# Altium PCB PCA_0005_FULL_CB_REV_B.PcbDoc (part 2 of 3)
Units mm, origin at the board's own origin, x right, y up, seen from the top; angles counter-clockwise.
Board outline 86.1 x 38.5 mm, 4 copper layers (Top Layer, Signal Layer 2, Signal Layer 1, Bottom Layer), stack 1.643 mm thick; 107 components, 165 nets, 591 pads, 270 vias.
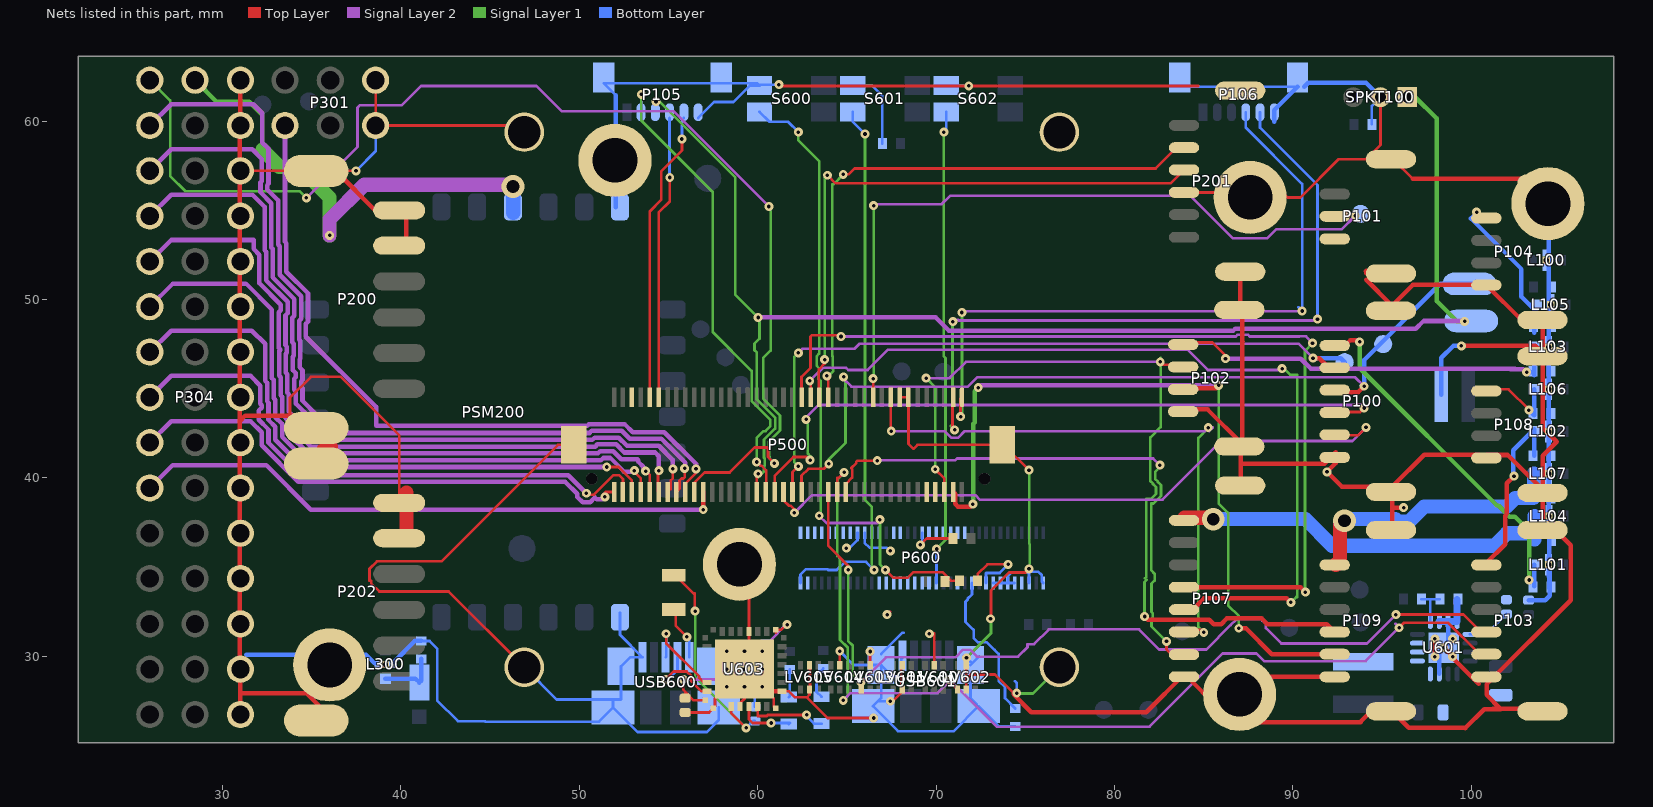
[diagram p4: the nets of this part, all layers, seen from the top]

## Via types
v1: diameter 0.5, hole 0.2, Top Layer to Bottom Layer, tented both sides, 255 vias
v2: diameter 1.27, hole 0.711, Top Layer to Bottom Layer, tented both sides, 14 vias
v3: diameter 0.5, hole 0.2, Top Layer to Bottom Layer, 1 vias

## Nets (pads, with @x,y where several pads share a name; then routed paths per layer and width w, separated by ;. In a path a pad name is that pad's centre, name@x,y a point inside that pad or via, vN(x,y) a via of type N, cw(c..) or ccw(c..) an arc to the next point about the centre after c; other vN are vias at no path point) (continued)
FMU-CH6-PROT: P304.6 P500.60 | length 33.6
  Top Layer w0.254: v1(56.947,38.227) P500.60@56.947,39.209
  Signal Layer 2 w0.254: P304.6@25.92,39.44 27.196,40.716 32.461,40.716 34.95,38.227 v1(56.947,38.227)
FMU-SWCLK: P106.5 P500.3 | length 41.5
  Top Layer w0.15: P500.3@70.968,44.526 70.922,44.481 70.922,42.819 v1(71.044,42.697)
  Signal Layer 2 w0.15: v1(70.942,48.768) 70.942,48.844 70.968,48.87 71.217,48.87 71.263,48.824 v1@91.306,48.824
  Signal Layer 1 w0.15: v1(70.942,48.768) 70.942,48.743 70.922,48.722 70.922,43.007 70.815,42.901 71.018,42.697 v1(71.044,42.697)
  Bottom Layer w0.15: P106.5@88.161,60.5 88.161,59.639 91.384,56.416 v1(91.384,48.901)
FMU-SWDIO: P106.4 P500.1 | length 39.1
  Top Layer w0.15: v1(71.374,43.434) 71.374,44.45 P500.1@71.45,44.526
  Signal Layer 2 w0.15: v1(71.45,49.276) 71.425,49.301 71.425,49.352 v1@90.514,49.352
  Signal Layer 1 w0.15: v1(71.374,43.434) 71.45,43.358 v1(71.45,49.276)
  Bottom Layer w0.15: P106.4@87.361,60.5 87.361,59.639 90.52,56.48 v1(90.52,49.359) 90.317,49.562
FW_RCVR: P600.69 S601.A1 | length 31.3
  Signal Layer 1 w0.15: v1(66.015,59.284) 66.015,38.765 66.39,38.389 66.39,34.981 v1(66.523,34.849)
  Bottom Layer w0.15: P600.69@62.396,34.11 62.396,34.583 62.687,34.874 63.928,34.874 63.961,34.841 64.428,34.841 64.888,35.301 66.071,35.301 v1(66.523,34.849) ; S601.A1@65.332,60.528 65.332,59.966 v1(66.015,59.284)
GND: "Nut 600.0" "Nut 601.0" "Nut 602.0" "Nut 603.0" "Nut 604.0" "Nut 605.0" BATT600.2 C600.P$2 C601.P$2 C602.P$2 C603.P$2 C604.P$2 C605.P$2 D100.A D101.A D102.A D103.A D104.A D105.A D106.A D107.A D108.A D301.A L100.GND L101.GND L102.GND L103.GND L104.GND L105.GND L106.GND L107.GND L300.GND LV600.2 LV601.2 LV601.5 LV602.2 LV602.5 LV603.2 LV604.2 LV605.2 LV605.5 M3_MOUNT901.1 M3_MOUNT902.1 M3_MOUNT903.1 M3_MOUNT904.1 P100.6 P100.GND P101.3 P101.GND P102.4 P102.GND P103.6 P103.GND P104.4 P104.GND P105.6 P105.GND P106.6 P106.GND P107.8 P107.GND P108.4 P108.GND P109.6 P109.GND P200.5 P200.6 P200.GND P201.4 P201.GND P202.5 P202.6 P202.GND P301.5 P301.6 P304.GND P500.13 P500.15 P500.GND P600.1 P600.5 P600.9 P600.11 P600.13 P600.15 PSM200.GND R603.P$1 R606.P$1 S600.B3 S602.B3 SPKT100.2 U601.6 U601.7 U601.8 U601.15 U601.16 U601.17 U603.4 U603.17 U603.20 U603.24 U603.26 U603.33 USB600.GND USB600.GND1 USB600.GND2 USB600.GND3 USB600.GND4 USB601.GND USB601.GND1 USB601.GND2 USB601.GND3 USB601.GND4 | length 504.7
  Top Layer w0.15: P304.GND@31,57.22 31.006,57.214 P200.GND@35.25,57.214 36.34,57.214 v3(37.478,57.214) ; 33.63,43.498 33.782,43.651 33.782,44.501 34.95,45.669 36.627,45.669 39.9,42.396 P202.6@39.9,38.604 ; P301.6@38.58,62.3 P301.5@38.58,59.76 46.539,59.76 M3_MOUNT901.1@46.914,59.385 ; M3_MOUNT904.1@46.914,29.388 42.672,33.63 38.786,33.63 38.329,34.087 38.329,34.231 38.237,34.231 38.237,34.91 38.653,35.326 42.26,35.326 48.793,41.859 P500.GND@49.697,41.859 ; C604.P$2@55.931,26.854 57.276,26.854 57.61,27.188 57.61,27.638 v1(58.258,28.286) ; 58.979,35.154 59.508,34.624 59.508,30.536 v1(59.258,30.286) ; U603.20@59.008,27.186 59.008,27.372 59.258,27.622 v1(59.258,28.286) ; v1(60.258,28.286) 60.508,28.036 60.906,27.638 60.906,27.188 U603.24@61.008,27.086 ; v1(61.189,62.052) 61.265,61.976 v1(71.831,61.976) 84.69,61.976 ; U603.26@61.358,28.036 61.764,28.036 62.1,27.7 62.752,27.7 ; LV605.2@62.9,29.5 62.936,29.464 62.936,28.186 LV605.5@62.9,28.15 62.9,27.848 62.752,27.7 ; LV604.2@64.6,29.5 v1(64.6,30.294) ; LV603.2@66.3,29.5 v1(66.3,30.271) ; v1(66.497,26.543) 63.909,26.543 62.752,27.7 ; v1(67.259,32.334) v1@67.417,32.492 ; v1(67.437,27.483) 67.593,27.483 68.1,27.989 LV601.5@68.1,28.15 68.052,28.198 68.052,29.452 LV601.2@68.1,29.5 ; P500.15@67.97,44.526 P500.13@68.453,44.526 68.453,41.91 68.732,41.631 68.961,41.859 P500.GND@73.711,41.859 73.787,41.859 v1(75.209,40.437) ; LV600.2@69.9,29.5 69.9,31.293 ; LV602.5@71.7,28.15 71.7,28.727 ; v1(71.704,29.921) 71.704,29.504 LV602.2@71.7,29.5 71.7,28.727 ; v1@73.076,32.156 73.076,33.68 74.097,34.702 75.037,34.702 75.209,34.874 v1(75.209,34.9) ; v1@74.346,27.94 73.301,28.985 71.957,28.985 71.7,28.727 ; P201.4@83.9,56.007 89.425,56.007 89.705,55.728 90.428,55.728 92.568,57.868 P101.GND@94.116,57.868 ; P201.GND@86.79,61.976 P201.GND@87.049,61.717 ; SPKT100.2@94.914,61.347 94.914,58.666 P101.GND@94.116,57.868 ; 96.718,56.775 95.626,57.868 P101.GND@94.116,57.868
  Top Layer w0.254: P304.GND@30.953,29.261 30.953,43.18 ; P304.GND@30.953,59.701 30.953,43.18 ; P304.GND@30.979,26.721 30.979,27.94 ; P304.GND@30.979,29.261 30.979,27.94 ; P304.GND@31,59.76 P304.GND@31,62.3 ; P200.GND@35.642,43.498 33.63,43.498 31.272,43.498 30.953,43.18 ; P202.GND@35.667,26.963 34.69,27.94 30.979,27.94 ; P200.GND@36.34,57.214 38.588,54.966 40.292,54.966 P200.5@40.292,52.934 ; 40.317,39.167 P202.6@40.419,39.065 ; U603.33@60.508,28.036 U603.26@61.358,28.036 ; v1@74.346,27.94 74.346,27.864 75.336,26.873 81.792,26.873 83.926,29.007 85.881,27.051 P107.GND@87.076,27.051 ; P102.4@84.026,43.84 85.22,43.84 P102.GND@87.176,41.885 ; P201.GND@87.049,51.562 87.049,49.672 87.176,49.545 87.176,47.639 87.19,47.625 87.176,47.611 P102.GND@87.176,41.885 ; P107.GND@87.19,39.612 87.076,39.726 87.076,40.792 ; 87.241,29.159 87.546,28.854 88.879,28.854 ; 91.769,40.792 87.076,40.792 ; 91.776,40.799 92.411,41.434 92.411,40.835 v1(91.917,40.342) 92.755,39.503 P100.GND@95.561,39.503 ; P109.6@92.027,28.854 88.879,28.854 ; 93.771,26.321 94.381,26.93 95.561,26.93 96.501,25.991 99.7,25.991 ; 93.8,26.314 87.812,26.314 P107.GND@87.076,27.051 ; 94.102,51.59 94.116,51.604 P101.GND@94.116,51.467 ; 94.116,51.104 95.561,49.658 96.734,50.832 P104.4@100.412,50.832 ; P109.GND@95.561,37.085 95.561,38.36 ; v1(96.21,38.335) 95.586,38.335 95.561,38.36 ; 96.718,56.775 97.734,56.775 ; 96.809,56.781 P104.GND@103.317,56.781 ; v1(97.961,29.986) v1(97.961,30.986) ; v1(98.461,30.486) v1(98.961,29.986) 98.961,29.905 100.412,28.454 ; v1(99.453,47.408) 103.594,47.408 P108.GND@104.011,46.991 ; 99.656,25.97 100.723,27.037 101.663,27.037 100.861,27.839 100.861,28.434 105.574,33.147 105.574,36.232 104.614,37.192 104.011,37.192 P108.GND@104.011,39.331 ; P108.4@100.412,41.307 97.364,41.307 P100.GND@95.561,39.503 ; P108.4@100.861,41.286 102.055,41.286 P108.GND@104.011,39.331 ; P104.4@100.861,50.811 102.817,48.856 104.011,48.856 P108.GND@104.011,46.991 ; 101.214,27.057 P103.GND@103.562,27.057 ; 103.745,55.18 103.745,56.251 104.011,56.516 P104.GND@103.766,56.761 ; P107.GND@87.076,27.051 88.879,28.854 ; 87.076,40.792 87.076,41.784 P102.GND@87.176,41.885 ; 95.561,38.36 P100.GND@95.561,39.503 ; P108.GND@104.011,39.331 104.011,41.247 104.787,42.023 104.011,42.799 P108.GND@104.011,46.991
  Top Layer w0.8: P202.GND@35.642,41.554 35.743,41.453 36.058,41.768 ; 40.317,37.186 40.317,39.167
  Signal Layer 2 w0.15: v1(60.258,29.286) v1(60.258,30.286)
  Signal Layer 1 w0.15: v1(71.704,29.921) 73.076,31.293 v1@73.076,32.156 ; v1@74.524,28.118 74.727,27.915 75.438,27.915 M3_MOUNT902.1@76.911,29.388 ; v1(75.209,34.9) 75.255,34.945 75.255,36.281 75.23,36.306 75.23,40.533 75.209,40.513 v1(75.209,40.437)
  Bottom Layer w0.15: v3(37.478,57.214) 38.58,58.316 P301.5@38.58,59.76 ; D301.A@41.139,30.861 41.605,30.861 42.033,30.433 42.033,27.534 43.201,26.365 44.704,26.365 44.729,26.34 51.101,26.34 USB600.GND4@51.889,27.127 ; M3_MOUNT904.1@46.914,29.388 48.724,27.577 USB600.GND4@51.889,27.577 ; 52.045,61.445 51.361,62.129 59.96,62.129 S600.B3@60.1,61.99 ; PSM200.GND@52.276,32.436 52.276,31.21 USB600.GND@53.539,29.947 52.847,29.947 USB600.GND3@52.339,29.439 52.339,27.577 USB600.GND4@51.889,27.577 ; P105.6@56.661,60.179 57.559,61.077 58.644,61.077 59.557,61.99 S600.B3@60.1,61.99 ; USB600.GND1@57.81,27.127 57.81,26.416 57.15,25.756 53.26,25.756 USB600.GND4@51.889,27.127 ; C605.P$2@59.842,27.172 59.842,27.87 v1(60.258,28.286) v1(59.258,28.286) v1(58.258,28.286) v1(58.258,29.286) v1(58.258,30.286) v1(59.258,30.286) v1(59.258,29.286) v1(60.258,29.286) ; v1(61.189,62.052) 60.162,62.052 S600.B3@60.1,61.99 ; v1(64.6,30.294) 65.38,29.515 USB601.GND3@66.918,29.515 ; USB601.GND3@66.918,30.135 68.107,31.323 68.183,31.323 ; v1(67.437,27.483) USB601.GND4@66.748,27.483 ; USB601.GND@68.118,29.926 68.052,29.86 68.052,29.072 67.86,28.88 67.553,28.88 USB601.GND3@66.918,29.515 ; S602.B3@70.565,61.99 71.817,61.99 v1(71.831,61.976) ; v1(71.704,29.921) USB601.GND2@71.933,29.693 ; USB601.GND2@71.933,28.558 71.933,27.661 USB601.GND1@72.288,27.305 ; USB601.GND2@71.933,29.515 USB601.GND2@72.428,30.01 ; P600.15@73.207,34.11 P600.13@73.613,34.11 P600.11@74.02,34.11 ; P600.9@74.401,34.11 P600.11@74.02,34.11 ; 74.414,28.608 74.524,28.499 v1(74.524,27.94) ; R606.P$1@74.439,26.068 73.525,26.068 USB601.GND1@72.39,27.203 70.993,25.806 67.865,25.806 USB601.GND4@66.468,27.203 USB601.GND4@66.748,27.483 ; v1@75.209,34.702 74.224,34.702 74.02,34.497 P600.11@74.02,34.11 ; P600.5@75.213,34.11 v1@75.213,34.87 ; v1@75.362,34.747 75.726,34.747 75.924,34.549 75.924,34.187 P600.1@76.001,34.11 ; P106.GND@83.661,61.926 P106.GND@90.261,61.926 ; D102.A@94.432,59.823 94.432,60.865 SPKT100.2@94.914,61.347 ; U601.17@97.861,30.486 U601.17@98.111,30.236 ; USB600.GND4@51.889,27.127 USB600.GND4@51.889,27.577 ; USB601.GND4@66.748,27.483 66.918,27.653 USB601.GND3@66.918,29.515
  Bottom Layer w0.254: P304.GND@31.334,30.099 36.008,30.099 ; 36.008,29.515 36.008,30.099 ; 36.008,30.217 36.008,30.099 ; L300.GND@38.538,29.6 38.04,30.099 36.008,30.099 ; L300.GND@39.627,29.705 40.783,30.861 D301.A@41.139,30.861 ; PSM200.GND@52.045,55.173 52.045,61.445 ; 88.961,59.976 88.961,60.626 P106.GND@90.261,61.926 ; P106.GND@90.645,61.932 90.873,62.16 94.102,62.16 SPKT100.2@94.914,61.347 ; v1@96.198,38.347 v1(96.21,38.335) ; U601.15@98.211,29.011 98.211,30.236 v1(98.461,30.486) 98.711,30.736 U601.7@98.711,31.961 ; BATT600.2@98.33,44.66 98.33,46.73 99.008,47.408 v1(99.453,47.408) ; C602.P$2@103.22,33.147 104.147,33.147 104.4,33.4 ; 103.745,55.18 103.796,55.18 ; 104.304,55.383 104.338,55.35 104.338,38.956 104.4,33.4 ; L101.GND@104.338,34.735 104.4,33.4 ; L101.GND@104.338,35.541 104.4,33.4
  Bottom Layer w0.4: U601.6@98.211,31.961 U601.7@98.711,31.961 U601.8@99.211,31.961 R603.P$1@99.211,33.172
  other v1: 98.961,30.986 69.621,31.267 73.05,32.106
GP12_PWM0: P600.35
GP13_PWM1: P600.33
GP14: P600.48
GP15: P600.42
GP40: P600.52 | length 2.4
  Top Layer w0.15: v1@67.31,35.992 67.31,35.916 v1(67.437,35.916)
  Bottom Layer w0.15: P600.52@65.996,36.932 65.996,36.366 66.273,36.089 67.213,36.089 67.31,35.992 67.31,35.916 v1(67.437,35.916)
GP41: P600.54 | length 1.3
  Top Layer w0.15: v1(64.973,36.068) v1@64.999,36.043
  Bottom Layer w0.15: v1(64.973,36.068) 65.151,36.068 65.597,36.514 P600.54@65.597,36.932
GP42: P600.50
GP43: P600.56
GP44: P600.24
GP45: P600.26
GP46: P600.28
GP47: P600.30
GP48: P600.32
GP49: P600.34
GP165: P600.25
GP182_PWM2: P600.37
GP183_PWM3: P600.39
I2C_1_SCL: P107.4 P500.37 | length 53.1
  Top Layer w0.15: P500.37@62.459,44.526 62.459,45.665 62.961,46.168 62.961,47.925 63.043,48.006 64.592,48.006 v1(64.668,47.93)
  Top Layer w0.254: P107.4@83.9,33.875 90.433,33.875 v1(90.703,33.604)
  Signal Layer 2 w0.15: v1(64.668,47.93) 86.803,47.93 86.903,48.03 87.477,48.03 87.577,47.93 90.365,47.93 ; 90.371,47.936 90.749,47.936 91.104,47.581 v1(91.104,47.555)
  Signal Layer 1 w0.15: v1@90.678,33.604 90.678,47.129 v1(91.104,47.555)
I2C_1_SCL_ED: P600.41
I2C_1_SDA: P107.5 P500.35 | length 49
  Top Layer w0.15: v1(62.916,45.441) 62.967,45.491 P500.35@62.967,44.526
  Top Layer w0.254: P107.5@83.9,32.615 84.38,32.615 85.01,33.245 89.666,33.245 v1(89.891,33.02)
  Signal Layer 2 w0.15: v1(62.916,45.441) 63.647,46.172 64.957,46.172 65.079,46.05 66.167,46.05 67.31,47.193 84.091,47.193 85.234,46.05 v1@89.4,46.05
  Signal Layer 1 w0.15: v1@89.501,46.126 89.857,45.771 ; 89.863,45.777 90.241,45.777 90.241,33.325 90.195,33.325 v1(89.891,33.02)
  other v1: 89.4,46.126
I2C_1_SDA_ED: P600.43
I2C_2_SCL: P102.2 P109.4 P500.6 | length 48.9
  Top Layer w0.15: v1@69.926,40.513 v1(69.952,40.488) 70.46,39.98 P500.6@70.46,39.209 ; v1(82.567,46.507) 82.567,46.38 82.603,46.345 P102.2@84.026,46.345
  Top Layer w0.254: v1(81.686,32.233) 81.863,32.056 85.316,32.056 85.567,31.805 85.985,31.805 86.307,32.127 88.245,32.127 88.567,31.805 91.91,31.805 P109.4@92.35,31.365
  Signal Layer 2 w0.15: v1(69.444,45.593) 70.764,45.593 71.679,46.507 v1(82.567,46.507)
  Signal Layer 1 w0.15: v1(69.444,45.593) 69.444,45.618 69.952,45.11 v1(69.952,40.488) ; v1(81.686,32.233) 81.686,34.171 81.805,34.29 81.711,34.384 81.787,34.46 81.787,38.842 82.069,38.842 82.333,39.107 82.333,39.481 82.158,39.656 82.158,39.677 82.006,39.83 82.006,40.445 82.008,40.448 82.008,42.266 82.593,42.85 82.593,46.736 82.567,46.711 v1(82.567,46.507)
I2C_2_SDA: P102.3 P109.5 P500.4 | length 44
  Top Layer w0.254: P500.4@70.968,39.209 71.069,39.108 71.069,38.545 71.218,38.396 71.924,38.396 v1(72.06,38.532) ; P102.3@84.026,45.085 84.077,45.034 85.717,45.034 85.717,45.06 v1(85.844,45.187) ; v1(86.97,31.572) 87.374,31.572 88.826,30.12 P109.5@92.35,30.12
  Signal Layer 2 w0.254: v1(72.365,45.06) 72.365,45.085 72.466,45.187 v1(85.844,45.187)
  Signal Layer 1 w0.15: v1(85.844,45.187) 85.844,38.572 86.376,38.04 86.376,32.843 86.97,32.25 v1(86.97,31.572)
  Signal Layer 1 w0.254: v1(72.06,38.532) 72.085,38.557 72.085,43.037 72.157,43.11 72.157,44.852 v1(72.365,45.06)
I2C_6_SCL: P600.45
I2C_6_SDA: P600.47
I\O\-\L\E\D\_\S\A\F\E\T\_\P\R\O\T\: P107.7 P500.28 | length 31.7
  Top Layer w0.15: P500.28@64.948,39.209 64.948,39.673 65.298,40.023 65.298,40.497 65.245,40.55 65.245,40.552 65.527,40.834 65.527,40.914 65.583,40.97 v1(66.7,40.97) ; v1@82.918,30.638 82.918,30.384 83.126,30.175 83.202,30.251 P107.7@83.926,30.251
  Signal Layer 2 w0.15: v1(66.7,40.97) 66.675,40.97 66.65,40.996 71.08,40.996 71.174,41.09 82.168,41.09 v1(82.542,40.716)
  Signal Layer 1 w0.15: v1@82.669,40.716 82.283,40.33 82.283,39.944 82.435,39.792 82.435,39.771 82.61,39.596 82.61,38.992 82.183,38.565 82.064,38.565 82.064,34.822 82.257,34.63 82.257,34.255 82.074,34.072 82.074,32.484 82.138,32.42 82.138,32.045 82.074,31.981 82.074,31.679 v1(82.918,30.836)
IO-!RESET: P500.75
IO-CH1-PROT: P304.7 P500.80 | length 29.5
  Top Layer w0.15: v1(51.435,38.938) 51.359,39.014 51.359,39.091 51.477,39.209 P500.80@51.947,39.209
  Signal Layer 2 w0.254: P304.7@25.899,41.961 27.118,43.18 31.569,43.18 32.194,42.555 32.194,41.825 34.243,39.776 49.22,39.776 49.89,39.107 49.89,38.933 50.185,38.637 50.602,38.637 50.872,38.907 50.973,38.806 51.303,38.806 v1(51.435,38.938)
IO-CH2-PROT: P304.8 P500.78 | length 33
  Top Layer w0.15: v1@50.216,39.065 50.292,39.141 v1(50.394,39.141) ; v1@50.394,39.065 50.831,39.065 51.923,40.157 52.222,40.157 52.447,39.933 P500.78@52.447,39.209
  Signal Layer 2 w0.254: P304.8@25.899,44.501 27.118,45.72 31.569,45.72 32.112,45.177 32.112,44.152 32.194,44.07 32.194,43.945 32.029,43.78 32.029,43.258 32.575,42.713 32.575,41.983 34.401,40.157 49.378,40.157 v1(50.394,39.141)
IO-CH3-PROT: P304.9 P500.76 | length 34.5
  Top Layer w0.15: v1(51.537,40.615) 52.197,40.615 52.947,39.865 P500.76@52.947,39.209
  Signal Layer 2 w0.254: P304.9@25.899,47.041 27.118,48.26 31.64,48.26 32.385,47.515 32.385,45.443 32.493,45.335 32.493,44.31 32.575,44.228 32.575,43.252 32.956,42.871 32.956,42.141 34.482,40.615 v1(51.537,40.615)
IO-CH4-PROT: P304.10 P500.74 | length 37.3
  Top Layer w0.15: v1@53.061,40.361 53.447,39.975 P500.74@53.447,39.209
  Signal Layer 2 w0.254: P304.10@25.899,49.581 27.218,50.9 31.309,50.9 32.766,49.443 32.766,45.601 32.874,45.493 32.874,44.467 32.956,44.386 32.956,43.41 33.337,43.029 33.337,42.299 34.64,40.996 51.205,40.996 51.328,41.119 51.745,41.119 52.503,40.361 v1@53.061,40.361
  other v1: 53.086,40.411
IO-CH5-PROT: P304.11 P500.72 | length 40.5
  Top Layer w0.15: v1(53.721,40.386) 53.95,40.156 P500.72@53.947,39.209
  Signal Layer 2 w0.254: P304.11@25.899,52.121 27.118,53.34 31.735,53.34 31.735,52.842 32.055,52.522 32.055,50.925 33.265,49.716 33.265,49.402 33.147,49.285 33.147,47.286 33.223,47.21 33.223,47.17 33.172,47.119 33.172,45.733 33.255,45.65 33.255,44.625 33.337,44.543 33.337,43.567 33.718,43.186 33.718,42.457 34.798,41.377 51.047,41.377 51.17,41.5 51.903,41.5 52.356,41.046 53.261,41.046 53.315,40.993 53.315,40.896 53.59,40.62 53.59,40.517 v1(53.721,40.386)
IO-CH6-PROT: P304.12 P500.70 | length 43.7
  Top Layer w0.15: v1@54.412,40.386 54.412,39.244 P500.70@54.447,39.209
  Signal Layer 2 w0.254: P304.12@25.899,54.661 27.113,55.875 31.675,55.875 32.357,55.193 32.357,52.759 32.436,52.68 32.436,51.083 33.646,49.873 33.646,49.245 33.528,49.127 33.528,47.444 33.604,47.368 33.604,47.012 33.553,46.961 33.553,45.891 33.636,45.808 33.636,44.783 33.718,44.701 33.718,43.725 34.099,43.344 34.099,42.614 34.956,41.758 50.889,41.758 51.012,41.881 52.061,41.881 52.514,41.427 54.254,41.427 54.458,41.224 v1(54.458,40.411)
IO-CH7-PROT: P304.13 P500.68 | length 47.2
  Top Layer w0.15: P500.68@54.947,39.209 55.118,39.38 55.118,39.852 55.245,39.979 v1@55.245,40.557
  Signal Layer 2 w0.254: P304.13@25.899,57.201 27.118,58.42 31.655,58.42 32.194,57.881 32.194,56.645 32.126,56.577 32.126,56.01 32.738,55.398 32.738,52.916 32.817,52.838 32.817,51.241 34.027,50.031 34.027,49.087 33.909,48.969 33.909,47.602 33.985,47.525 33.985,46.854 33.934,46.804 33.934,46.049 34.099,45.884 34.099,45.654 34.017,45.572 34.017,44.941 34.099,44.859 34.099,44.171 34.831,43.439 34.48,43.088 34.48,42.772 35.113,42.139 50.731,42.139 50.854,42.262 52.219,42.262 52.672,41.808 54.447,41.808 55.245,41.01 v1(55.245,40.513)
IO-CH8-PROT: P304.14 P500.66 | length 50.3
  Top Layer w0.15: P500.66@55.447,39.209 55.618,39.38 55.618,39.852 55.736,39.97 55.844,39.97 55.905,40.031 v1(55.905,40.538)
  Signal Layer 2 w0.254: P304.14@25.899,59.741 27.118,60.96 31.715,60.96 32.233,60.442 32.233,58.801 32.575,58.459 32.575,56.487 32.507,56.419 32.507,56.168 33.119,55.556 33.119,53.074 33.198,52.995 33.198,51.399 34.408,50.189 34.408,48.929 34.29,48.811 34.29,47.759 34.366,47.683 34.366,46.697 34.315,46.646 34.315,46.206 34.48,46.042 34.48,45.496 34.398,45.414 34.398,45.099 34.48,45.017 34.48,44.329 35.4,43.409 35.339,43.409 34.861,42.93 35.271,42.52 50.574,42.52 50.697,42.643 52.377,42.643 52.83,42.189 54.605,42.189 55.931,40.863 v1@55.931,40.538
IO-SWCLK: P105.5 P500.71 | length 16.4
  Top Layer w0.152: P500.71@53.947,44.526 53.947,54.947 54.6,55.6 54.6,57.2 55.753,58.353 v1(55.753,59.004)
  Bottom Layer w0.152: v1(55.753,59.004) 55.753,60.071 P105.5@55.861,60.179
IO-SWDIO: P105.4 P500.69 | length 16.1
  Top Layer w0.152: P500.69@54.447,44.526 54.447,54.879 55.067,55.5 v1(55.067,56.845)
  Bottom Layer w0.152: P105.4@55.061,60.179 55.061,56.94 54.966,56.845 v1(55.067,56.845)
IO-USART1_RX_SPECTRUM_DSM: JP100.1 P105.3 P500.48 SPKT100.1 | length 80.6
  Top Layer w0.15: P500.48@59.947,39.209 59.947,40.16 v1(60.02,40.234)
  Signal Layer 2 w0.254: v1(60.02,48.997) 69.975,48.997 70.708,48.264 86.672,48.264 86.767,48.359 96.893,48.359 ; 96.893,48.366 97.327,48.8 v1@99.631,48.8
  Signal Layer 1 w0.15: v1@54.275,61.1 54.495,61.1 58.75,56.845 58.75,50.267 v1(60.02,48.997) ; v1(60.02,40.234) 59.995,40.259 59.995,40.005 60.353,40.363 60.353,40.664 60.396,40.707 60.396,41.081 60.353,41.124 60.353,42.151 60.978,42.776 60.978,43.38 59.949,44.409 59.949,47.031 59.822,47.158 59.822,47.533 60.096,47.807 v1@60.096,49.073
  Signal Layer 1 w0.254: SPKT100.1@96.414,61.347 96.87,61.347 98.064,60.154 98.064,49.917 99.202,48.779 v1(99.631,48.779)
  other v1: 54.3,61.1
IO-USART1_TX: P105.2 P500.46 | length 26.7
  Top Layer w0.15: v1(59.944,40.894) 60.152,40.686 60.207,40.686 60.472,40.421 60.472,39.235 P500.46@60.447,39.209
  Signal Layer 1 w0.15: v1(53.475,61.5) 53.475,60.025 57.48,56.02 57.48,48.188 59.659,46.009 59.659,44.307 60.701,43.266 60.701,42.891 60.436,42.626 60.318,42.626 59.944,42.252 v1(59.944,40.894)
  Bottom Layer w0.15: P105.2@53.5,60.65 v1@53.5,61.446
MSIC_SLP_CLK3: P600.7
NetC603_P$1: C603.P$1 U601.9 | length 2.5
  Bottom Layer w0.15: U601.9@99.936,31.236 100.84,31.236 C603.P$1@101.976,32.372
NetC604_P$1: C604.P$1 U603.1 U603.16 | length 10.8
  Top Layer w0.15: v1(55.829,28.702) 55.829,28.118 55.931,28.016 ; C604.P$1@55.931,27.654 55.931,28.016 ; U603.16@57.058,27.536 56.411,27.536 55.931,28.016 ; U603.1@61.008,31.336 U603.1@61.008,31.486 61.306,31.486 61.62,31.801 v1(61.646,31.775)
  Signal Layer 2 w0.15: v1(55.829,28.702) 58.035,28.702 58.071,28.738 58.349,28.738 58.806,29.195 58.806,29.473 59.071,29.738 59.349,29.738 59.715,30.104 59.715,30.383 60.194,30.861 60.681,30.861 61.62,31.801 v1(61.646,31.775)
NetC605_P$1: C605.P$1 L601.P$2 U603.19 | length 12.3
  Top Layer w0.15: L601.P$2@55.601,34.341 56.439,33.503 56.464,33.528 56.464,32.512 v1(56.49,32.537) ; U603.19@58.508,27.186 58.508,26.83 v1(59.35,25.988)
  Signal Layer 2 w0.254: v1(59.35,25.988) v1@59.404,25.933
  Signal Layer 1 w0.15: v1(56.49,32.537) 56.49,28.848 v1(59.35,25.988)
  Bottom Layer w0.15: v1(59.35,25.988) 59.734,26.372 C605.P$1@59.842,26.372
NetD101_C: D101.C L101.P$2 P100.1 | length 19.6
  Top Layer w0.254: P100.1@92.9,47.4 93.208,47.708 93.644,47.708 93.721,47.631 v1(93.746,47.631)
  Signal Layer 1 w0.254: v1(93.746,47.631) 93.746,46.154 101.418,38.482 ; 101.536,38.439 102.14,37.836 102.448,37.836 103.245,37.038 v1(103.245,34.279)
  Bottom Layer w0.254: D101.C@103.525,33.941 L101.P$2@103.525,35.135
NetD104_C: D104.C L103.P$2 P102.1 | length 21.7
  Top Layer w0.152: P102.1@84.026,47.595 85.493,47.595 86.225,46.863 v1(86.225,46.685)
  Signal Layer 2 w0.254: v1(86.225,46.685) 90.059,46.685 ; 90.065,46.692 90.442,46.692 91.001,46.133 102.458,46.133 ; 102.2,46.1 102.92,46.1 v1@103.098,45.922
  Bottom Layer w0.254: v1(103.11,45.935) D104.C@103.499,45.935 ; D104.C@103.525,45.757 103.525,46.951
NetD105_C: D105.C L104.P$2 P107.1 | length 22.1
  Top Layer w0.8: P107.1@83.926,37.776 85.457,37.776 v2(85.539,37.694)
  Bottom Layer w0.8: v2@85.361,37.719 85.387,37.694 v2(85.539,37.694) 90.706,37.694 92.2,36.2 101.3,36.2 102,36.9 103.548,36.9 ; D105.C@103.548,36.548 L104.P$2@103.548,37.863
NetD106_C: D106.C L105.P$2 P104.1 | length 9
  Top Layer w0.15: P104.1@100.861,54.566 101.388,54.566 P104.1@101.358,54.596
  Bottom Layer w0.254: v1(100.3,54.9) 100.3,54.8 100.241,54.8 99.986,54.545 102.818,51.713 102.818,50.164 103.644,49.338 ; 103.525,48.144 103.525,49.338
NetD107_C: D107.C L107.P$2 P109.1 | length 14.8
  Top Layer w0.8: P109.1@92.411,35.135 92.639,35.363 92.639,37.339 v2(92.9,37.6)
  Bottom Layer w0.8: v2@92.9,37.7 95.746,37.7 95.888,37.558 96.532,37.558 97.374,38.4 102,38.4 102.476,38.876 D107.C@103.474,38.876 ; 103.525,39.325 L107.P$2@103.525,40.232
NetD108_C: D108.C L106.P$2 P108.1 | length 4.7
  Top Layer w0.152: P108.1@100.861,45.041 100.932,44.969 102.094,44.969 v1@103.237,43.826
  Bottom Layer w0.254: v1(103.237,43.801) 103.525,43.514 L106.P$2@103.525,44.972
NetD300_CATHODE: D300.CATHODE D301.C L300.P$1 | length 3.4
  Bottom Layer w0.254: L300.P$1@39.132,28.753 40.814,28.753 D300.CATHODE@41.037,28.53 41.139,28.631 D301.C@41.139,29.853
NetL600_P$1: L600.1 U601.1 U601.2 U601.3
NetL601_P$1: L601.P$1 USB600.VBUS | length 2.8
  Top Layer w0.15: L601.P$1@55.397,32.461 55.397,31.725 v1(56.032,31.09)
  Bottom Layer w0.15: v1(56.032,31.09) 56.159,30.963 USB600.VBUS@56.159,29.947
NetLED600_A: LED600.A R607.P$1 | length 1.9
  Bottom Layer w0.15: LED600.A@63.576,27.737 63.3,28.013 63.3,28.942 R607.P$1@63.678,29.32
NetLED600_C: LED600.C U603.22 | length 4.3
  Top Layer w0.15: U603.22@60.008,27.186 60.008,26.657 60.511,26.657 60.57,26.716 v1(62.743,26.716)
  Bottom Layer w0.15: v1@62.705,26.678 63.158,26.225 LED600.C@63.576,26.225
NetLED601_A: LED601.A R608.P$1 | length 1.6
  Bottom Layer w0.15: LED601.A@61.747,27.711 61.798,27.762 R608.P$1@61.798,29.269
NetLED601_C: LED601.C U603.21 | length 3.2
  Top Layer w0.15: U603.21@59.508,27.186 59.508,26.471 59.715,26.264 v1(60.757,26.264)
  Bottom Layer w0.15: v1(60.757,26.264) 61.812,26.264 LED601.C@61.747,26.199
NetR600_P$1: R600.P$1 R603.P$2 U601.5 | length 2.3
  Bottom Layer w0.15: R600.P$1@97.218,33.204 97.708,33.204 97.711,33.207 ; U601.5@97.711,31.961 97.711,33.207 ; R603.P$2@98.242,33.204 97.713,33.204 97.711,33.207
NetR610_P$1: R610.P$1 R612.P$2 S600.A1 | length 36.2
  Top Layer w0.15: v1(67.158,34.849) 67.61,34.397 68.407,34.397 68.732,34.722 70.358,34.722 70.841,34.239 R612.P$2@71.323,34.239
  Signal Layer 2 w0.15: v1(63.449,37.88) 63.859,37.47 66.706,37.47 66.853,37.617 v1(66.853,37.668)
  Signal Layer 1 w0.15: v1(62.281,59.385) 62.281,58.928 63.449,57.76 63.449,46.969 63.302,46.822 63.302,46.295 63.449,46.148 63.449,45.927 63.429,45.907 63.429,45.533 63.531,45.431 63.531,37.961 v1(63.449,37.88) ; v1(66.853,37.668) 66.853,35.158 67.158,34.853 v1(67.158,34.849)
  Bottom Layer w0.15: S600.A1@60.1,60.528 60.659,59.969 61.697,59.969 v1(62.281,59.385)
NetR611_P$1: R611.P$1 S601.B3 | length 4.6
  Bottom Layer w0.15: S601.B3@65.332,61.99 66.407,61.99 66.988,61.409 R611.P$1@66.988,58.75
NetU603_14: U603.14 USB600.D+ | length 5.1
  Top Layer w0.15: v1(54.864,31.267) 54.864,30.734 56.706,28.892 56.706,28.803 56.973,28.536 U603.14@57.158,28.536
  Bottom Layer w0.15: USB600.D+@54.839,29.947 54.864,29.972 v1(54.864,31.267)
NetU603_15: U603.15 USB600.D- | length 4.7
  Top Layer w0.15: v1(54.839,28.702) 55.291,29.154 56.016,29.154 56.281,28.889 56.281,28.6 56.845,28.036 U603.15@57.158,28.036
  Bottom Layer w0.15: v1(54.839,28.702) 54.959,28.702 55.499,29.242 USB600.D-@55.499,29.947
OSC_CLK_OUT_0: P600.67
OTG_DM1: P201.3 P500.33 | length 33.3
  Top Layer w0.15: P500.33@63.449,44.526 63.429,44.546 63.429,46.081 63.754,46.406 v1(63.754,46.634) ; v1(63.906,56.972) 64.364,56.515 83.147,56.515 P201.3@83.9,57.267
  Signal Layer 1 w0.15: v1(63.754,46.634) 63.754,56.944 63.726,56.972 v1(63.906,56.972)
OTG_DP1: P201.2 P500.31 | length 32.9
  Top Layer w0.15: v1(63.881,45.72) 63.83,45.72 63.779,45.669 63.957,45.491 P500.31@63.957,44.526 ; v1(64.795,57.023) 65.1,57.023 65.43,57.353 82.313,57.353 83.477,58.517 P201.2@83.9,58.517
  Signal Layer 1 w0.15: v1(63.881,45.72) 63.957,45.72 64.237,45.999 64.237,46.076 64.206,46.106 64.206,46.822 64.186,46.842 64.186,56.464 64.237,56.464 v1(64.795,57.023)
PERIPH_5V: D103.C L102.P$2 P103.1 | length 10.1
  Top Layer w0.254: P103.1@100.861,35.242 101.9,36.281 101.9,37.892 102,37.992 102,39.7 v1(102.4,40.1)
  Bottom Layer w0.254: v1@102.374,40.1 102.374,40.126 102.348,40.152 102.348,41.548 103.525,42.725 D103.C@103.525,41.246
PPM-SBUS-PROT: P304.15 P500.62 | length 68.6
  Top Layer w0.15: P500.62@56.447,39.209 56.447,39.733 57.023,40.31 58.426,40.31 59.823,41.707 60.578,41.707 60.578,41.175 v1(60.935,40.818)
  Signal Layer 2 w0.15: v1(34.7,55.7) 37.564,58.564 37.564,60.754 37.712,60.902 40.053,60.902 41.127,61.976 47.6,61.976 49.022,60.554 55.296,60.554 v1(60.63,55.22) v1@60.63,55.27
  Signal Layer 1 w0.15: P304.15@25.92,62.3 27.062,61.158 27.062,56.923 27.906,56.078 34.322,56.078 v1(34.7,55.7) ; v1(60.63,55.22) 60.726,55.123 60.726,47.141 60.305,46.72 60.305,44.445 61.255,43.495 61.255,42.662 60.63,42.037 60.63,41.239 60.673,41.196 60.673,41.079 v1(60.935,40.818)
PRESSURE_SENS_IN: ADC_PR.P$1 P101.2 P500.21 | length 40.2
  Top Layer w0.15: P500.21@66.472,44.526 v1(66.472,45.568) ; P101.2@92.8,54.7 v1@93.37,54.7
  Signal Layer 2 w0.15: v1(66.497,55.27) 66.497,55.296 66.446,55.347 70.318,55.347 70.788,55.817 84.266,55.817 86.653,53.431 88.556,53.431 89.065,53.939 92.739,53.939 v1(93.5,54.7)
  Signal Layer 1 w0.15: v1(66.472,45.568) 66.497,45.593 v1(66.497,55.27)
PROT_SPARE_1: P500.8
PROT_SPARE_2: P500.10
PSW: P600.21 R606.P$2 | length 8.7
  Bottom Layer w0.15: P600.21@72.013,34.11 72.013,33.473 71.775,33.235 71.775,33.182 71.653,33.06 71.653,31.929 72.076,31.506 72.105,31.477 72.105,31.019 72.353,30.771 ; 72.339,30.785 72.847,30.785 73.279,30.353 73.284,30.358 73.511,30.131 73.511,28.622 73.863,28.27 73.863,27.653 R606.P$2@74.439,27.076
PWRBTN#: P600.17 R612.P$1 | length 4.3
  Top Layer w0.15: R612.P$1@72.331,34.239 72.331,34.612 72.873,35.154 v1(74.041,35.154)
  Bottom Layer w0.15: P600.17@72.8,34.11 72.8,34.675 73.562,34.675 v1(74.041,35.154)
RCVR_MODE: P600.31 S602.A1 | length 26.7
  Signal Layer 1 w0.15: v1(70.028,36.017) 70.531,36.52 70.531,46.72 70.434,46.816 v1(70.434,59.385)
  Bottom Layer w0.15: P600.31@70.006,34.11 70.028,34.131 v1(70.028,36.017) ; v1(70.434,59.385) 70.565,59.516 S602.A1@70.565,60.528
RESET_OUT#: P600.36 R613.P$2 | length 2.7
  Top Layer w0.15: v1(69.124,36.252) 69.473,36.601 R613.P$2@70.942,36.601
  Bottom Layer w0.15: v1(69.124,36.252) 69.219,36.348 P600.36@69.219,36.932
RX_5V0_OUT: "P304.RX 5V" PSM200.RX | length 27
  Signal Layer 2 w0.8: v1(36,53.6) 36,54.491 37.948,56.439 46.177,56.439 v2(46.279,56.337)
  Signal Layer 1 w0.254: 28.46,62.3 29.66,61.1 31.5,61.1 32.233,60.367 32.233,58.395
  Signal Layer 1 w0.8: 32.233,58.395 33.174,57.453 34.267,57.453 36,55.719 v1(36,53.6)
  Bottom Layer w0.8: PSM200.RX@46.3,54.875 v2@46.3,56.337
S.BUS_OUT: P301.1 P500.64 | length 39.8
  Top Layer w0.15: P500.64@55.947,39.209 55.947,39.681 56.54,40.274 v1(56.54,40.513)
  Signal Layer 2 w0.254: P301.1@33.5,59.76 33.5,53.232 33.579,53.153 33.579,51.557 34.789,50.347 34.789,48.771 34.671,48.654 34.671,47.917 38.608,43.98 38.608,42.926 50.441,42.926 50.539,43.024 52.534,43.024 52.988,42.57 54.762,42.57 56.54,40.792 v1(56.54,40.513)
SAFETY: P107.6 P500.17 | length 33.9
  Top Layer w0.15: P500.17@67.462,44.526 67.462,42.647 67.437,42.621 v1(67.488,42.621) ; P107.6@83.926,31.521 83.951,31.496 85.006,31.496 v1(85.006,31.344)
  Signal Layer 2 w0.15: v1(67.488,42.621) 70.481,42.621 70.857,42.245 71.231,42.245 71.607,42.621 85.056,42.621 v1(85.26,42.824) 85.514,42.824 v1@85.31,42.621
  Signal Layer 1 w0.15: v1(85.006,31.344) 85.006,31.496 84.929,31.42 84.702,31.647 84.702,42.241 85.285,42.824 v1(85.26,42.824)
SD_0_CD#: P600.60
SD_0_CLK: P600.58
SD_0_CLK_FB: P600.44
SD_0_CMD: P600.62
SD_0_DAT0: P600.66
SD_0_DAT1: P600.70
SD_0_DAT2: P600.64
SD_0_DAT3: P600.68
SERIAL1_CTS: P100.4 P500.44 | length 38.8
  Top Layer w0.15: P500.44@60.947,39.209 60.947,40.119 62.001,41.173 62.763,41.173 v1(62.941,40.996) ; P100.4@92.4,43.7 93.777,43.7 v1(94,43.923)
  Signal Layer 2 w0.15: v1(62.713,43.282) 62.713,43.383 63.419,44.089 v1@93.834,44.089
  Signal Layer 1 w0.15: v1(62.713,43.282) 62.812,43.182 62.812,41.358 v1@62.969,41.201
SERIAL1_RTS: P100.5 P500.42 | length 37.4
  Top Layer w0.15: P500.42@61.447,39.209 61.447,38.742 61.74,38.448 61.831,38.448 62.052,38.227 v1(62.052,38.049) ; P100.5@92.607,42.507 92.715,42.4 93.671,42.4 v1(94.102,42.831)
  Signal Layer 2 w0.15: v1(62.052,38.049) 63.035,39.032 72.199,39.032 72.445,38.786 82.694,38.786 85.976,42.067 92.961,42.067 ; 92.967,42.074 93.344,42.074 v1(94.102,42.831)
SERIAL1_RX: JP100.2 P100.3 P500.38 S1RX.P$1 | length 49.5
  Top Layer w0.15: P500.38@62.459,39.209 62.459,40.132 62.84,40.513 63.703,40.513 v1(63.983,40.792)
  Top Layer w0.254: P100.3@92.6,44.8 93.658,44.8 v1(94,45.142)
  Signal Layer 2 w0.15: v1(64.821,45.669) 64.795,45.644 64.795,45.568 65.247,45.116 71.781,45.116 72.304,45.639 91.013,45.639 ; 91.02,45.645 93.497,45.645 v1(94,45.142)
  Signal Layer 1 w0.15: v1(63.983,40.792) 63.983,41.026 64.917,41.96 64.917,45.573 v1(64.821,45.669)
  Bottom Layer w0.254: v1@93.873,45.193 93.924,45.142 v1(94,45.142) 94,46.615 98.267,50.883 JP100.2@100.35,50.883 ; JP100.2@100.799,50.862 JP100.2@101.078,50.862
SERIAL1_TX: P100.2 P500.40 S1TX.P$1 | length 41.3
  Top Layer w0.15: P500.40@61.951,39.209 61.951,40.322 v1(62.281,40.653) v1@62.281,40.742
  Top Layer w0.254: v1(91.13,46.717) 91.483,46.717 92.1,46.1 P100.2@92.7,46.1
  Signal Layer 2 w0.15: v1(62.281,47.015) 62.509,47.244 65.43,47.244 65.71,47.523 87.833,47.523 ; 87.84,47.53 90.317,47.53 v1(91.13,46.717)
  Signal Layer 1 w0.15: v1(62.281,40.653) 62.057,40.876 62.057,46.792 v1(62.281,47.015) v1@62.306,47.015
  Bottom Layer w0.254: v1(91.13,46.717) 92.679,46.717 S1TX.P$1@92.908,46.488
SERIAL2_CTS: LV603.4 P103.4 P500.32 | length 51
  Top Layer w0.15: P500.32@63.957,39.209 63.957,36.195 65.075,35.077 v1(65.075,34.849) ; v1(65.786,28.55) 65.8,28.536 LV603.4@65.8,28.15 ; v1(95.778,32.341) 99.571,32.341 100.409,31.502 P103.4@100.412,31.502
  Signal Layer 2 w0.15: v1(65.786,28.55) 67.183,29.947 71.09,29.947 71.517,30.373 71.891,30.373 72.285,29.98 74.597,29.98 75.126,30.508 75.126,30.684 75.493,30.684 76.321,31.513 81.375,31.513 82.504,30.384 85.153,30.384 86.518,31.748 86.518,31.759 86.833,32.075 88.224,32.075 88.488,31.81 88.488,31.584 89.352,30.72 94.158,30.72 v1(95.778,32.341)
  Signal Layer 1 w0.15: v1(65.075,34.849) 65.075,30.851 65.329,30.596 65.329,29.007 v1(65.786,28.55)
SERIAL2_RTS: LV602.4 P103.5 P500.30 | length 56.2
  Top Layer w0.15: P500.30@64.465,39.209 64.465,40.005 64.541,40.005 v1(64.846,40.31) ; v1(70.807,28.652) 70.807,28.543 LV602.4@71.2,28.15 ; v1(95.956,31.604) 96.235,31.883 98.703,31.883 100.329,30.258 P103.5@100.412,30.258
  Signal Layer 2 w0.15: v1(64.795,27.534) 65.197,27.935 70.09,27.935 v1(70.807,28.652) 73.398,26.06 81.96,26.06 86.061,30.161 87.964,30.161 88.395,29.73 94.081,29.73 v1(95.956,31.604) 95.969,31.617 95.753,31.833
  Signal Layer 1 w0.15: v1(64.795,27.534) 65.052,27.79 65.052,30.482 64.612,30.921 64.612,35.468 64.465,35.615 64.465,39.954 64.491,39.954 v1(64.846,40.31)